# Altium PCB AXP221sBreakout.PcbDoc
Units mm, origin at the board's own origin, x right, y up, seen from the top; angles counter-clockwise.
Board outline 26 x 36 mm, 4 copper layers (Top Layer, Int1 (GND), Int4 (PWR), Bottom Layer), stack 1.508 mm thick; 55 components, 266 nets, 206 pads, 197 vias.
Unrouted connection lines stored in the file: 49.
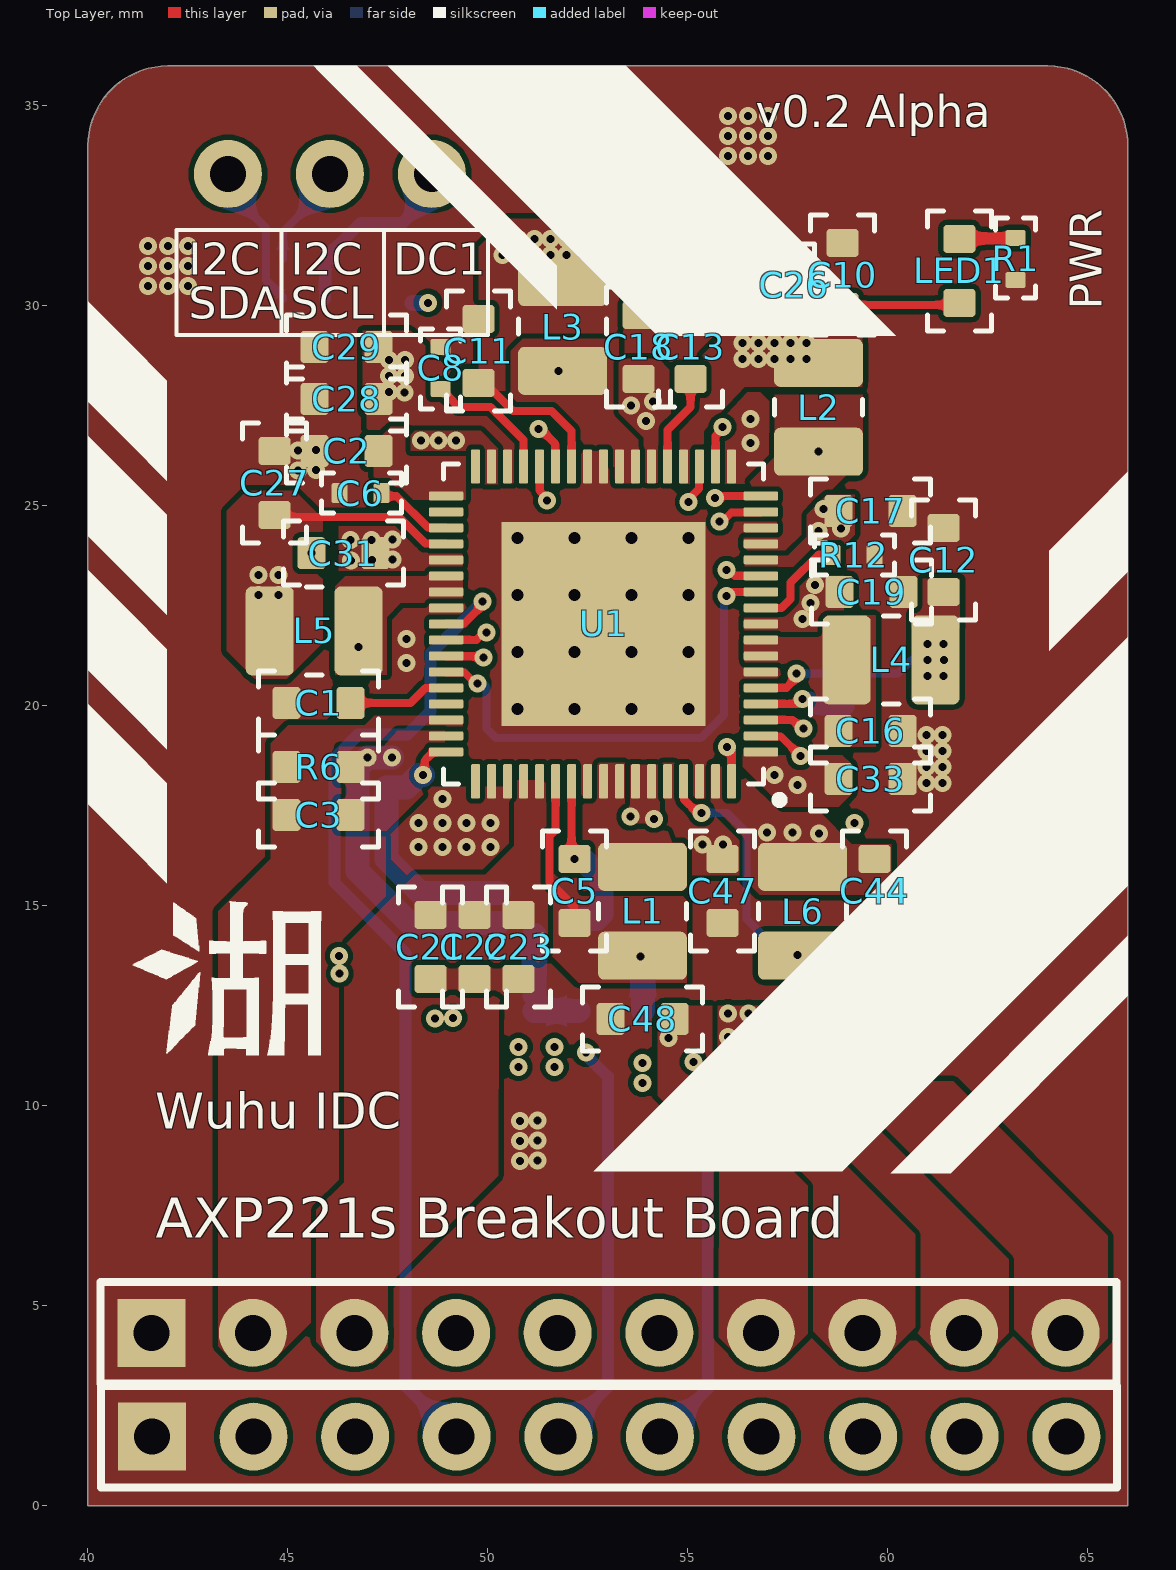
[diagram p0: Top Layer view]
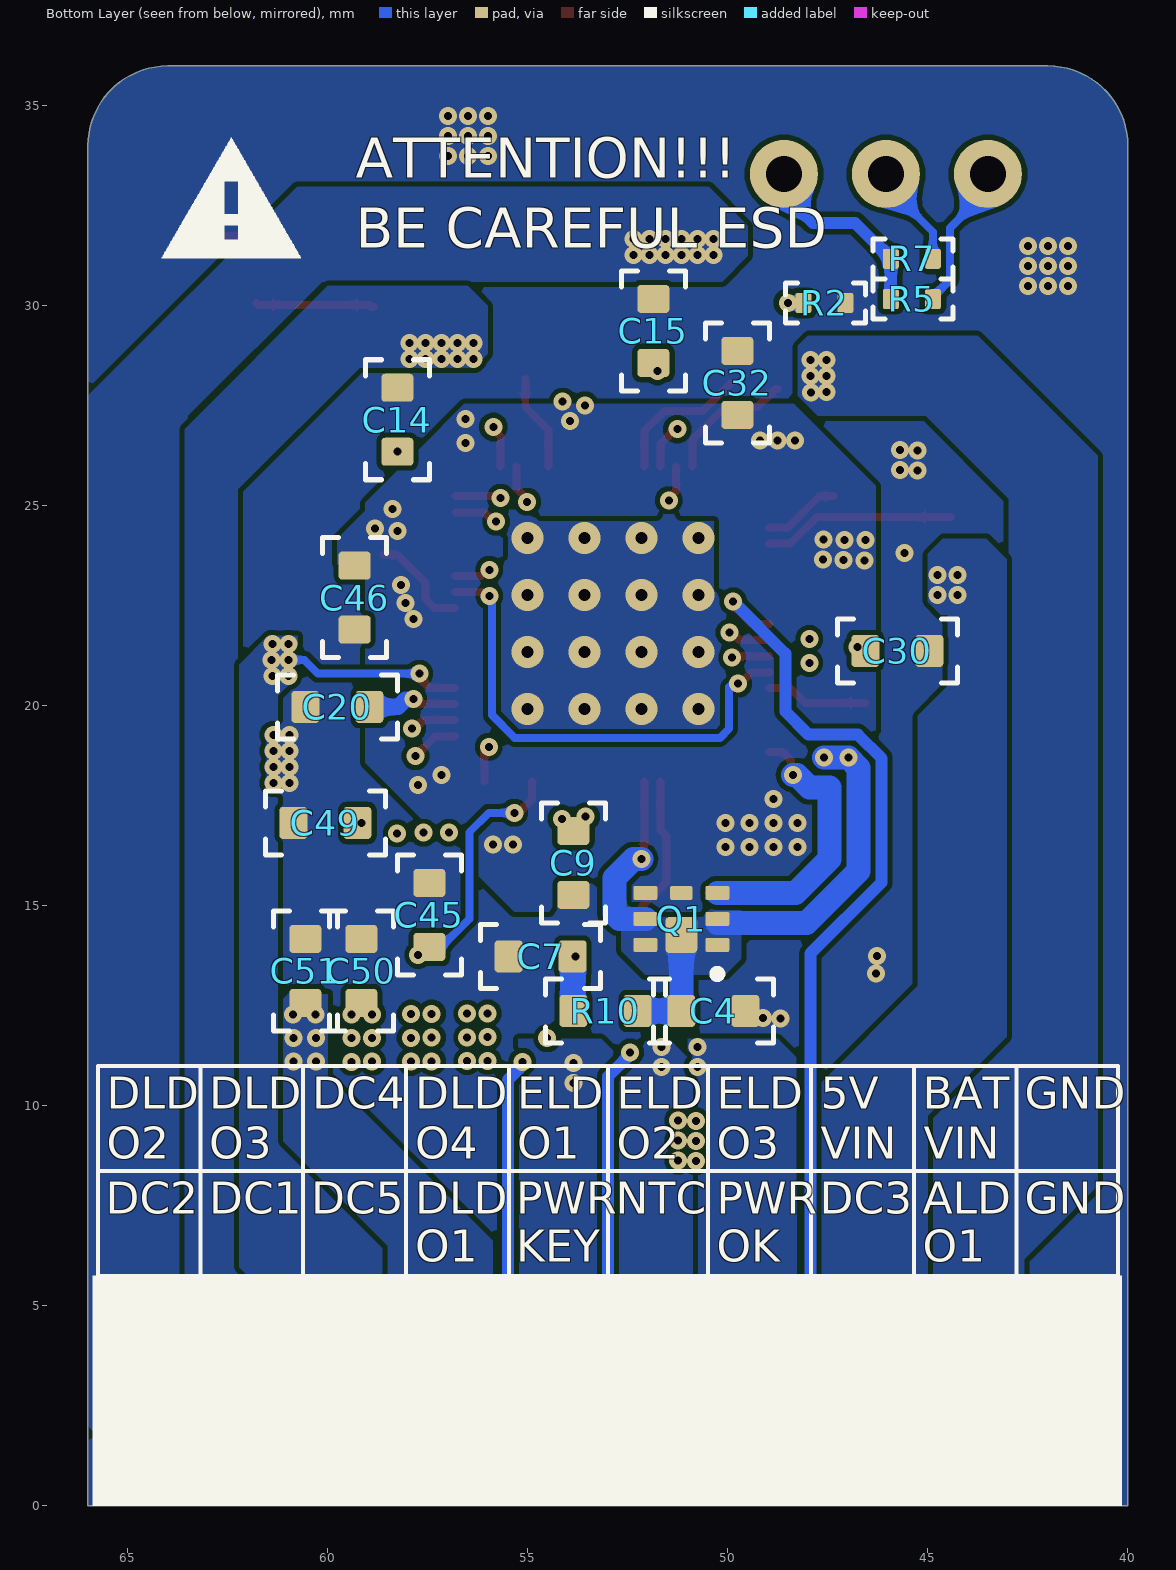
[diagram p1: Bottom Layer view, seen from below]
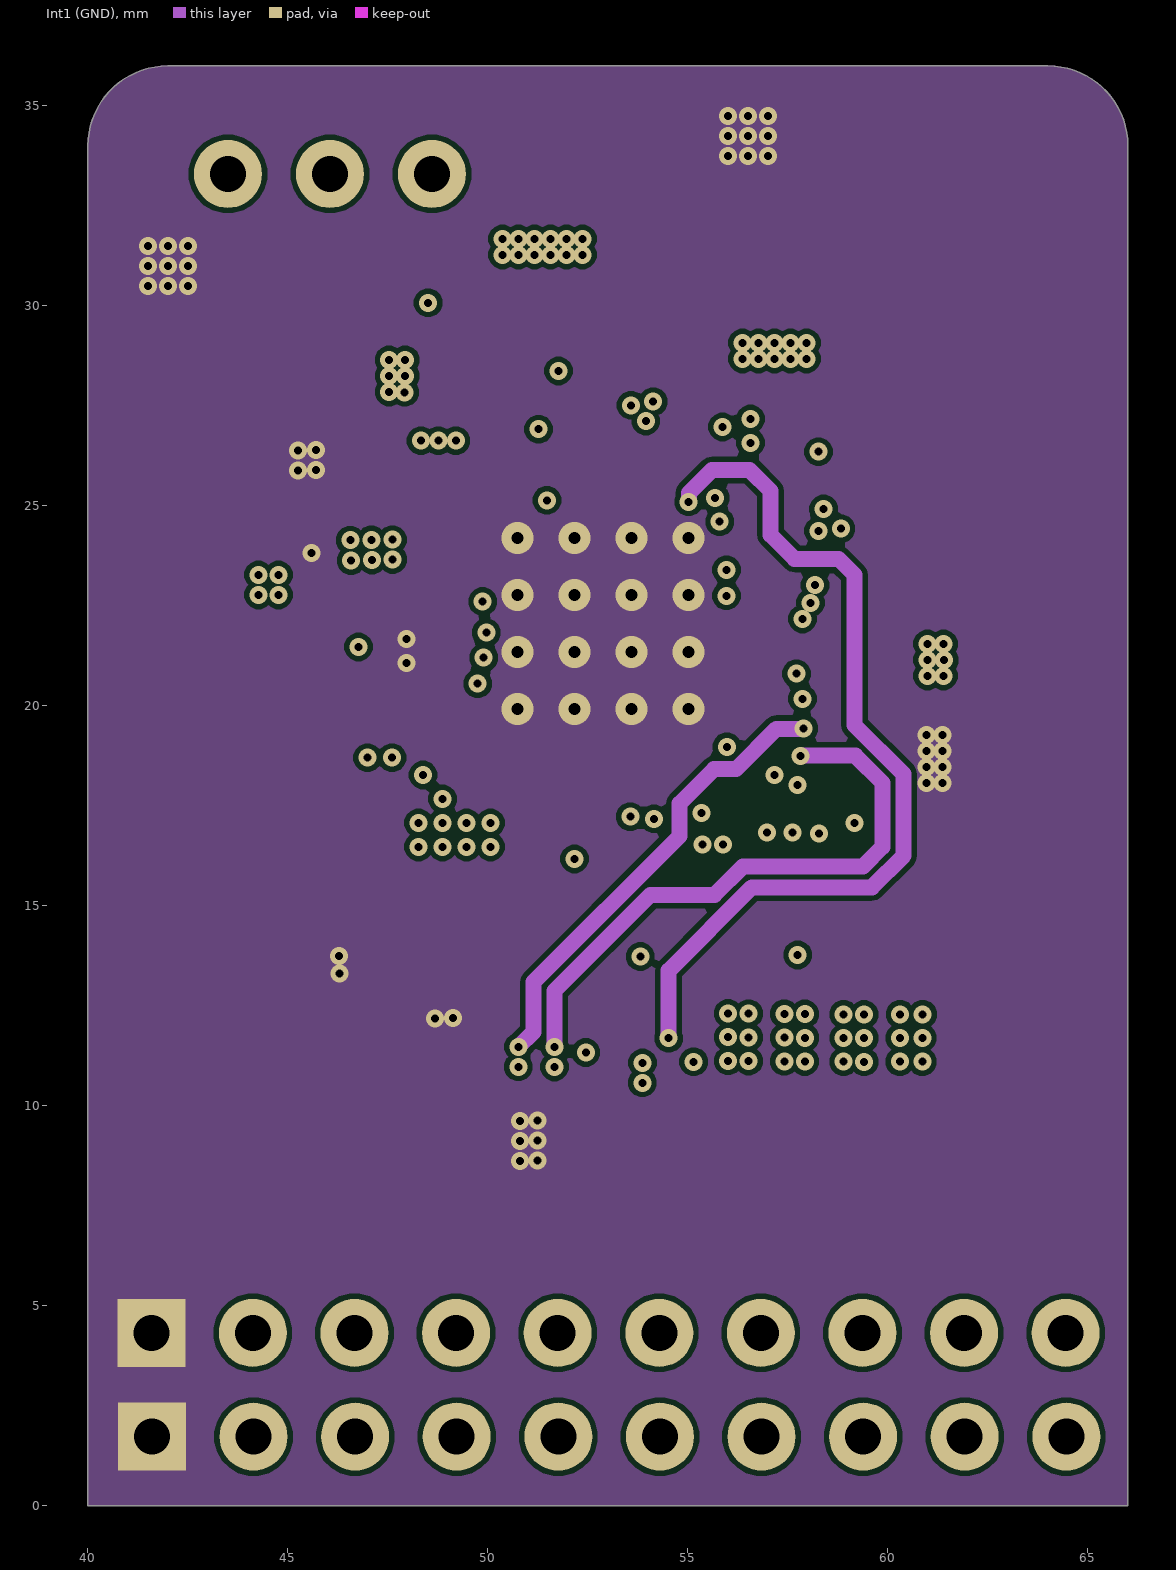
[diagram p2: Int1 (GND)]
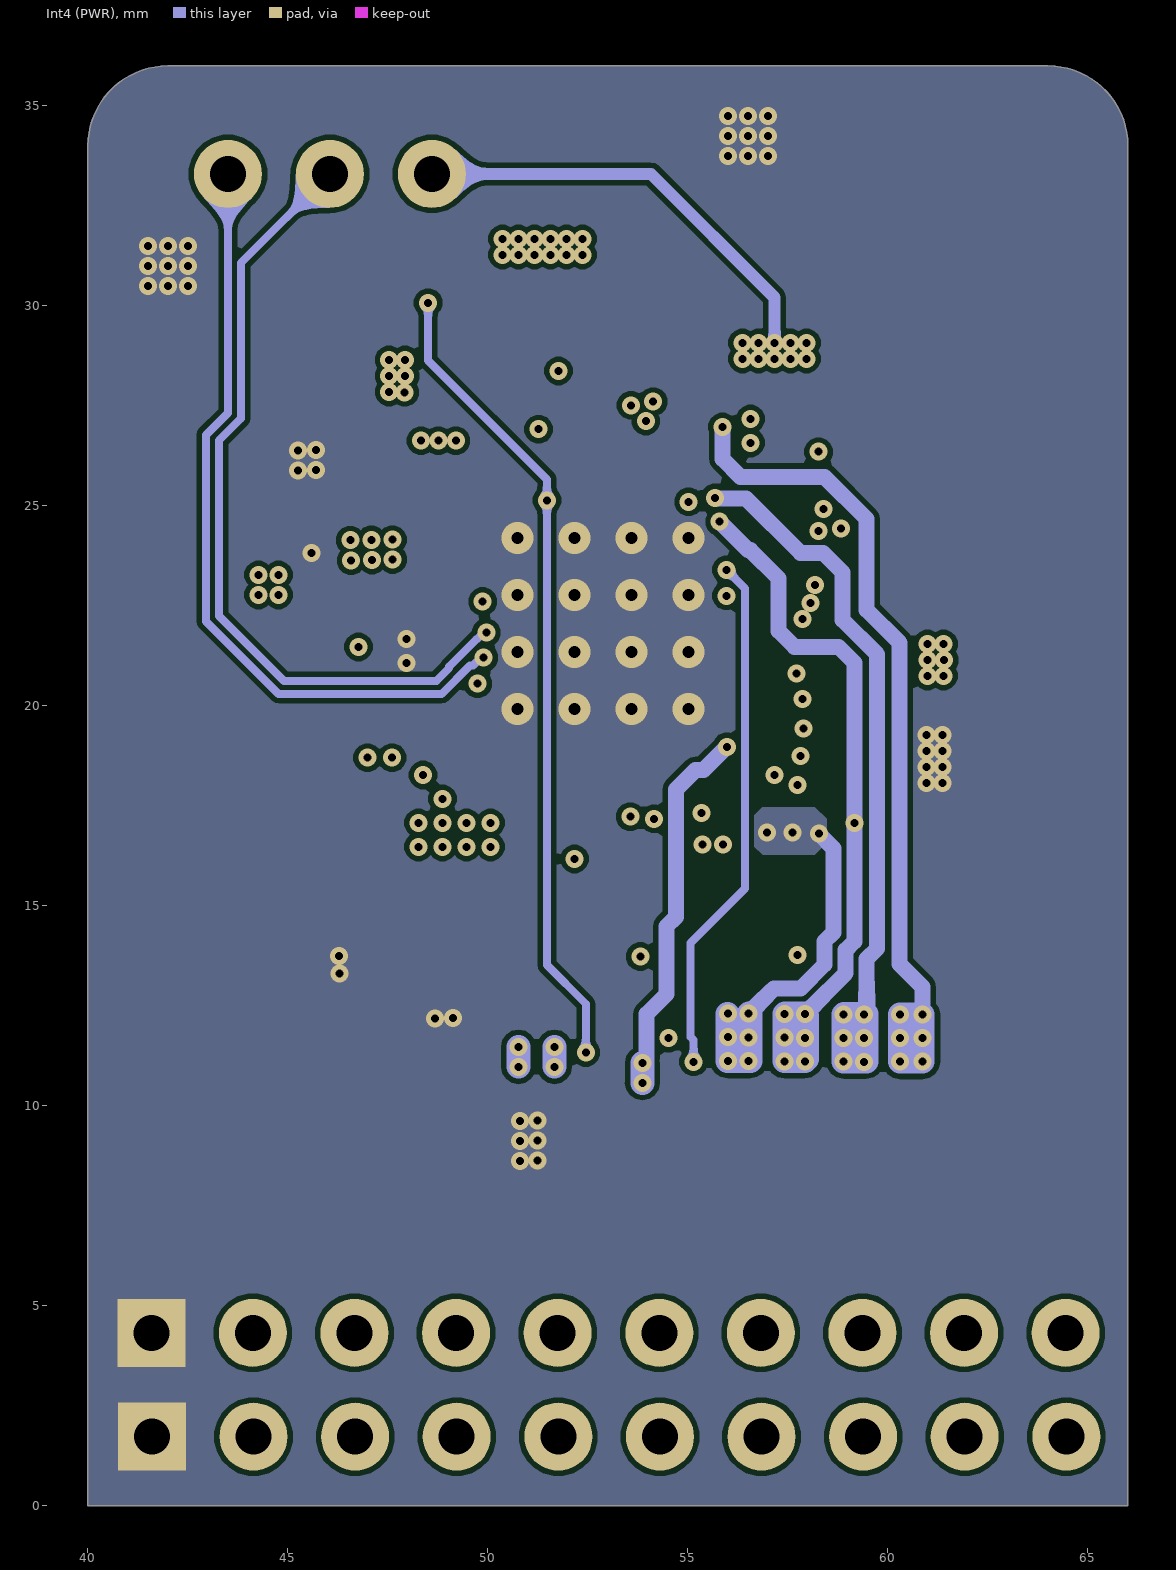
[diagram p3: Int4 (PWR)]
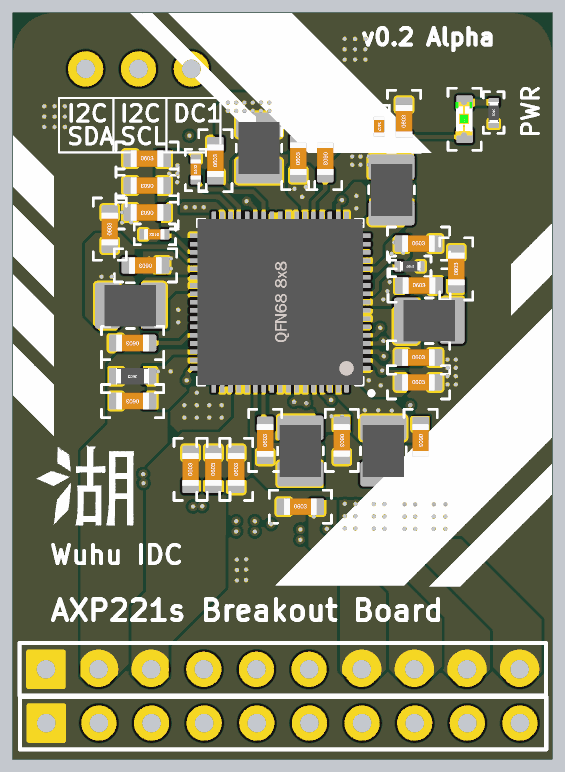
[diagram p4: 3D render of the assembled board from above, using the file's embedded part models]
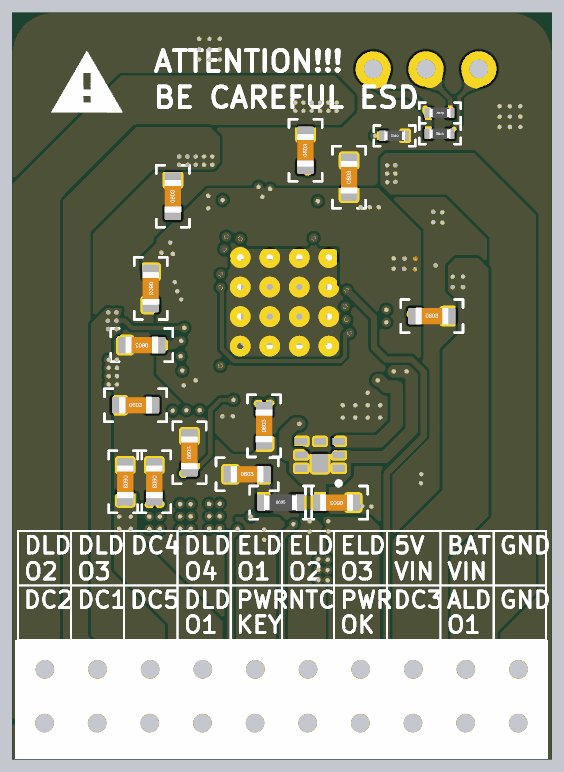
[diagram p5: 3D render of the assembled board from below, using the file's embedded part models]

## Layer stack, top to bottom
Top Solder: solder mask 0.0254, SM-001, Dk 4
Top Layer: signal copper 0.035
Dielectric 1: prepreg 0.0994, PP-006, Dk 4.1
Int1 (GND): signal copper 0.0152
Dielectric 3: core 0.55, Core-035, Dk 4.7
Dielectric 4: prepreg 0.0544, PP-006, Dk 4.1
Dielectric 5: prepreg 0.0544, PP-006, Dk 4.1
Dielectric 6: core 0.55, Core-035, Dk 4.7
Int4 (PWR): signal copper 0.0152
Dielectric 8: prepreg 0.0994, PP-006, Dk 4.1
Bottom Layer: signal copper 0.035
Bottom Solder: solder mask 0.0254, SM-001, Dk 4

## Board outline
40,0 40,34 cw(c42,34) 42,36 64,36 cw(c64,34) 66,34 66,0

## Design rules (kind name [scope] priority, off if disabled: settings)
Clearance [All] p1: gap=0.127 ignorepadtopadclearanceinfootprint=TRUE
DiffPairsRouting "Schematic Differential Pairs Routing_11" [InDifferentialPairClass('HDMI_TX0')] p1: maxlimit=0.229 minlimit=0.229 mostfreqgap=0.229 toplayer_minwidth=0.128 toplayer_maxwidth=0.13 toplayer_prefwidth=0.129 midlayer1_minwidth=0.128 midlayer1_maxwidth=0.13 midlayer1_prefwidth=0.129 midlayer4_minwidth=0.128 midlayer4_maxwidth=0.13 midlayer4_prefwidth=0.129 bottomlayer_minwidth=0.128 bottomlayer_maxwidth=0.13 bottomlayer_prefwidth=0.129 maxuncoupledlength=12.7
DiffPairsRouting "Schematic Differential Pairs Routing_10" [InDifferentialPairClass('HDMI_TX2')] p2: maxlimit=0.229 minlimit=0.229 mostfreqgap=0.229 toplayer_minwidth=0.128 toplayer_maxwidth=0.13 toplayer_prefwidth=0.129 midlayer1_minwidth=0.128 midlayer1_maxwidth=0.13 midlayer1_prefwidth=0.129 midlayer4_minwidth=0.128 midlayer4_maxwidth=0.13 midlayer4_prefwidth=0.129 bottomlayer_minwidth=0.128 bottomlayer_maxwidth=0.13 bottomlayer_prefwidth=0.129 maxuncoupledlength=12.7
DiffPairsRouting "Schematic Differential Pairs Routing_9" [InDifferentialPairClass('HDMI_TX1')] p3: maxlimit=0.229 minlimit=0.229 mostfreqgap=0.229 toplayer_minwidth=0.128 toplayer_maxwidth=0.13 toplayer_prefwidth=0.129 midlayer1_minwidth=0.128 midlayer1_maxwidth=0.13 midlayer1_prefwidth=0.129 midlayer4_minwidth=0.128 midlayer4_maxwidth=0.13 midlayer4_prefwidth=0.129 bottomlayer_minwidth=0.128 bottomlayer_maxwidth=0.13 bottomlayer_prefwidth=0.129 maxuncoupledlength=12.7
DiffPairsRouting "Schematic Differential Pairs Routing_6" [InDifferentialPairClass('HDMI_TXC')] p4: maxlimit=0.229 minlimit=0.229 mostfreqgap=0.229 toplayer_minwidth=0.128 toplayer_maxwidth=0.13 toplayer_prefwidth=0.129 midlayer1_minwidth=0.128 midlayer1_maxwidth=0.13 midlayer1_prefwidth=0.129 midlayer4_minwidth=0.128 midlayer4_maxwidth=0.13 midlayer4_prefwidth=0.129 bottomlayer_minwidth=0.128 bottomlayer_maxwidth=0.13 bottomlayer_prefwidth=0.129 maxuncoupledlength=12.7
DiffPairsRouting "Schematic Differential Pairs Routing_20" [InDifferentialPairClass('USB2')] p5: maxlimit=0.229 minlimit=0.229 mostfreqgap=0.229 toplayer_minwidth=0.128 toplayer_maxwidth=0.13 toplayer_prefwidth=0.129 midlayer1_minwidth=0.128 midlayer1_maxwidth=0.13 midlayer1_prefwidth=0.129 midlayer4_minwidth=0.128 midlayer4_maxwidth=0.13 midlayer4_prefwidth=0.129 bottomlayer_minwidth=0.128 bottomlayer_maxwidth=0.13 bottomlayer_prefwidth=0.129 maxuncoupledlength=12.7
DiffPairsRouting "Schematic Differential Pairs Routing_18" [InDifferentialPairClass('USB1')] p6: maxlimit=0.229 minlimit=0.229 mostfreqgap=0.229 toplayer_minwidth=0.128 toplayer_maxwidth=0.13 toplayer_prefwidth=0.129 midlayer1_minwidth=0.128 midlayer1_maxwidth=0.13 midlayer1_prefwidth=0.129 midlayer4_minwidth=0.128 midlayer4_maxwidth=0.13 midlayer4_prefwidth=0.129 bottomlayer_minwidth=0.128 bottomlayer_maxwidth=0.13 bottomlayer_prefwidth=0.129 maxuncoupledlength=12.7
DiffPairsRouting "Schematic Differential Pairs Routing_8" [InDifferentialPairClass('USB0')] p7: maxlimit=0.229 minlimit=0.229 mostfreqgap=0.229 toplayer_minwidth=0.128 toplayer_maxwidth=0.13 toplayer_prefwidth=0.129 midlayer1_minwidth=0.128 midlayer1_maxwidth=0.13 midlayer1_prefwidth=0.129 midlayer4_minwidth=0.128 midlayer4_maxwidth=0.13 midlayer4_prefwidth=0.129 bottomlayer_minwidth=0.128 bottomlayer_maxwidth=0.13 bottomlayer_prefwidth=0.129 maxuncoupledlength=12.7
DiffPairsRouting "Schematic Differential Pairs Routing_5" [InDifferentialPairClass('USB3')] p8: maxlimit=0.229 minlimit=0.229 mostfreqgap=0.229 toplayer_minwidth=0.128 toplayer_maxwidth=0.13 toplayer_prefwidth=0.129 midlayer1_minwidth=0.128 midlayer1_maxwidth=0.13 midlayer1_prefwidth=0.129 midlayer4_minwidth=0.128 midlayer4_maxwidth=0.13 midlayer4_prefwidth=0.129 bottomlayer_minwidth=0.128 bottomlayer_maxwidth=0.13 bottomlayer_prefwidth=0.129 maxuncoupledlength=12.7
DiffPairsRouting "Schematic Differential Pairs Routing_4" [InNetClass('DDR3_DIFF_DQS2')] p9: maxlimit=0.229 minlimit=0.229 mostfreqgap=0.229 toplayer_minwidth=0.128 toplayer_maxwidth=0.13 toplayer_prefwidth=0.129 midlayer1_minwidth=0.128 midlayer1_maxwidth=0.13 midlayer1_prefwidth=0.129 midlayer4_minwidth=0.128 midlayer4_maxwidth=0.13 midlayer4_prefwidth=0.129 bottomlayer_minwidth=0.128 bottomlayer_maxwidth=0.13 bottomlayer_prefwidth=0.129 maxuncoupledlength=12.7
DiffPairsRouting "Schematic Differential Pairs Routing_3" [InNetClass('DDR3_DIFF_DQS3')] p10: maxlimit=0.229 minlimit=0.229 mostfreqgap=0.229 toplayer_minwidth=0.128 toplayer_maxwidth=0.13 toplayer_prefwidth=0.129 midlayer1_minwidth=0.128 midlayer1_maxwidth=0.13 midlayer1_prefwidth=0.129 midlayer4_minwidth=0.128 midlayer4_maxwidth=0.13 midlayer4_prefwidth=0.129 bottomlayer_minwidth=0.128 bottomlayer_maxwidth=0.13 bottomlayer_prefwidth=0.129 maxuncoupledlength=12.7
DiffPairsRouting "Schematic Differential Pairs Routing_2" [InNetClass('DDR3_DIFF_DQS0')] p11: maxlimit=0.229 minlimit=0.229 mostfreqgap=0.229 toplayer_minwidth=0.128 toplayer_maxwidth=0.13 toplayer_prefwidth=0.129 midlayer1_minwidth=0.128 midlayer1_maxwidth=0.13 midlayer1_prefwidth=0.129 midlayer4_minwidth=0.128 midlayer4_maxwidth=0.13 midlayer4_prefwidth=0.129 bottomlayer_minwidth=0.128 bottomlayer_maxwidth=0.13 bottomlayer_prefwidth=0.129 maxuncoupledlength=12.7
DiffPairsRouting "Schematic Differential Pairs Routing_1" [InNetClass('DDR3_DIFF_CK')] p12: maxlimit=0.229 minlimit=0.229 mostfreqgap=0.229 toplayer_minwidth=0.128 toplayer_maxwidth=0.13 toplayer_prefwidth=0.129 midlayer1_minwidth=0.128 midlayer1_maxwidth=0.13 midlayer1_prefwidth=0.129 midlayer4_minwidth=0.128 midlayer4_maxwidth=0.13 midlayer4_prefwidth=0.129 bottomlayer_minwidth=0.128 bottomlayer_maxwidth=0.13 bottomlayer_prefwidth=0.129 maxuncoupledlength=12.7
DiffPairsRouting "Schematic Differential Pairs Routing" [InNetClass('DDR3_DIFF_DQS1')] p13: maxlimit=0.229 minlimit=0.229 mostfreqgap=0.229 toplayer_minwidth=0.128 toplayer_maxwidth=0.13 toplayer_prefwidth=0.129 midlayer1_minwidth=0.128 midlayer1_maxwidth=0.13 midlayer1_prefwidth=0.129 midlayer4_minwidth=0.128 midlayer4_maxwidth=0.13 midlayer4_prefwidth=0.129 bottomlayer_minwidth=0.128 bottomlayer_maxwidth=0.13 bottomlayer_prefwidth=0.129 maxuncoupledlength=12.7
DiffPairsRouting [All] p14: maxlimit=0.127 minlimit=0.127 mostfreqgap=0.127 toplayer_minwidth=0.13 toplayer_maxwidth=0.13 toplayer_prefwidth=0.13 midlayer1_minwidth=0.13 midlayer1_maxwidth=0.13 midlayer1_prefwidth=0.13 midlayer4_minwidth=0.13 midlayer4_maxwidth=0.13 midlayer4_prefwidth=0.13 bottomlayer_minwidth=0.13 bottomlayer_maxwidth=0.13 bottomlayer_prefwidth=0.13 maxuncoupledlength=12.7
HoleSize [All] p1: absolutevalues=TRUE maxlimit=6.3 minlimit=0.2 maxpercent=80.000 minpercent=20.000
HoleToHoleClearance [All] p1: gap=0.1 allowstackedmicrovias=TRUE
MinimumSolderMaskSliver [All] p1: minsoldermaskwidth=0.1
PolygonConnect [All] p1: connectstyle=Direct reliefconductorwidth=0.254 reliefentries=4 polygonreliefangle="90 Angle" airgapwidth=0.254
RoutingVias [All] p1: holewidth=0.2 width=0.3 viastyle="Through Hole" minholewidth=0.2 minwidth=0.3 maxholewidth=2 maxwidth=2
SilkToSilkClearance [All] p1: silktosilkclearance=0.1
SilkToSolderMaskClearance [IsPad] p1: minsilkscreentomaskgap=0.1 clearancetoexposedcopper=TRUE
SolderMaskExpansion [All] p1: expansion=0.102 istentingtop=FALSE
Width "Schematic Width Constraint_6" [InNet('RGMII_RXCK')] p1: maxlimit=0.127 minlimit=0.127 preferedwidth=0.127
Width "Schematic Width Constraint_5" [InNet('SBA0')] p2: maxlimit=0.127 minlimit=0.127 preferedwidth=0.127
Width "Schematic Width Constraint_4" [InNetClass('DDR3_DQM')] p3: maxlimit=0.127 minlimit=0.127 preferedwidth=0.127
Width "Schematic Width Constraint_2" [InNetClass('EMMC_DATA')] p4: maxlimit=0.127 minlimit=0.127 preferedwidth=0.127
Width "Schematic Width Constraint_3" [InNetClass('EMMC_CTL')] p5: maxlimit=0.127 minlimit=0.127 preferedwidth=0.127
Width "Schematic Width Constraint" [InNetClass('FLASH')] p6: maxlimit=0.127 minlimit=0.127 preferedwidth=0.127
Width "Schematic Width Constraint_7" [InNetClass('DDR3_ADDR')] p7: maxlimit=0.127 minlimit=0.127 preferedwidth=0.127
Width "Schematic Width Constraint_1" [InNetClass('DDR3_DATA')] p8: maxlimit=0.127 minlimit=0.127 preferedwidth=0.127
Width [All] p9: maxlimit=5 minlimit=0.127 preferedwidth=0.254
24 further rules are at their usual default settings.

## Classes and differential pairs
net class GPIO: NetJ1_33 NetJ1_35 NetJ1_37 NetJ1_39 NetJ1_41 NetJ1_43 NetJ1_45 NetJ1_51 NetJ1_53 NetJ1_55 NetJ1_57 NetJ1_59 NetJ1_61 NetJ1_63 NetJ1_65 NetJ1_67 NetJ1_69 NetJ1_71 NetJ1_73 NetJ1_75 NetJ1_77 NetJ1_78 NetJ1_79 NetJ1_80 NetJ1_81 NetJ1_83 NetJ1_84 NetJ1_85 NetJ1_86 NetJ1_87 NetJ1_89 NetJ1_90 NetJ1_91 NetJ1_92 NetJ1_93 NetJ1_94 NetJ1_95 NetJ1_96 NetJ1_97 NetJ1_99 NetJ1_100 NetJ1_101 NetJ1_103 NetJ1_105 NetJ1_107 NetJ1_109 NetJ1_111 NetJ1_113 NetJ1_115 NetJ1_117 NetJ1_119 NetJ1_121 NetJ1_123 NetJ1_125 NetJ1_129 NetJ1_131 NetJ1_133 NetJ1_135 NetJ1_137 NetJ1_139 NetJ1_141 NetJ1_146 NetJ1_148 NetJ1_152 NetJ1_154 NetJ1_158 NetJ1_160 NetJ1_164 NetJ1_166
net class DDR3: SA0 SA1 SA2 SA3 SA4 SA5 SA6 SA7 SA8 SA9 SA10 SA11 SA12 SA13 SA14 SA15 SBA0 SBA1 SBA2 SCAS SCK_N SCK_P SCKE0 SCKE1 SCS0 SCS1 SDQ0 SDQ1 SDQ2 SDQ3 SDQ4 SDQ5 SDQ6 SDQ7 SDQ8 SDQ9 SDQ10 SDQ11 SDQ12 SDQ13 SDQ14 SDQ15 SDQ16 SDQ17 SDQ18 SDQ19 SDQ20 SDQ21 SDQ22 SDQ23 SDQ24 SDQ25 SDQ26 SDQ27 SDQ28 SDQ29 SDQ30 SDQ31 SDQM0 SDQM1 SDQM2 SDQM3 SDQS0_N SDQS0_P SDQS1_N SDQS1_P SDQS2_N SDQS2_P SDQS3_N SDQS3_P SODT0 SODT1 SRAS SRST SWE
net class DDR3_DQS3: SDQ24 SDQ25 SDQ26 SDQ27 SDQ28 SDQ29 SDQ30 SDQ31 SDQS3_N SDQS3_P
net class DDR3_DQS2: SDQ16 SDQ17 SDQ18 SDQ19 SDQ20 SDQ21 SDQ22 SDQ23 SDQS2_N SDQS2_P
net class DDR3_DQS1: SDQ8 SDQ9 SDQ10 SDQ11 SDQ12 SDQ13 SDQ14 SDQ15 SDQS1_N SDQS1_P
net class DDR3_DQS0: SDQ0 SDQ1 SDQ2 SDQ3 SDQ4 SDQ5 SDQ6 SDQ7 SDQS0_N SDQS0_P
net class DDR3_DIFF_CK: SCK_N SCK_P
net class DDR3_DIFF_DQS3: SDQS3_N SDQS3_P
net class DDR3_DIFF_DQS2: SDQS2_N SDQS2_P
net class DDR3_DIFF_DQS1: SDQS1_N SDQS1_P
net class DDR3_DIFF_DQS0: SDQS0_N SDQS0_P
net class EMMC_CTL: EMMC_CMD EMMC_RST NetR18_2
net class FLASH: FLASH_CLK FLASH_CS FLASH_MISO FLASH_MOSI
net class EMMC_DATA: EMMC_D0 EMMC_D1 EMMC_D2 EMMC_D3 EMMC_D4 EMMC_D5 EMMC_D6 EMMC_D7
net class RGMII: RGMII_CLKIN RGMII_MDC RGMII_MDIO RGMII_RX0 RGMII_RX1 RGMII_RX2 RGMII_RX3 RGMII_RXCK RGMII_RXCTL RGMII_TXCK RGMII_TXCTL RGMII_TXD0 RGMII_TXD1 RGMII_TXD2 RGMII_TXD3
differential pair class USB3: USB3
differential pair class USB2: USB2
differential pair class USB1: USB1
differential pair class USB0: USB0
differential pair class HDMI_TXC: TXC
differential pair class HDMI_TX2: TX2
differential pair class HDMI_TX1: TX1
differential pair class HDMI_TX0: TX0
net class HDMI: NetJ1_110 NetJ1_126 NetJ1_136 NetJ1_140 TX0_N TX0_P TX1_N TX1_P TX2_N TX2_P TXC_N TXC_P
differential pair class DDR3_CK: SCK
net class DDR3_XXX: SCAS SRAS SRST SWE
net class DDR3_ODT: SODT0 SODT1
net class DDR3_CS: SCS0 SCS1
net class DDR3_CKE: SCKE0 SCKE1
differential pair class DDR3_DIFF_DQS3: SDQS3
differential pair class DDR3_DIFF_DQS2: SDQS2
differential pair class DDR3_DIFF_DQS1: SDQS1
differential pair class DDR3_DIFF_DQS0: SDQS0
net class DDR3_DQM: SDQM0 SDQM1 SDQM2 SDQM3
net class DDR3_BA: SBA0 SBA1 SBA2
net class DDR3_DATA: SDQ0 SDQ1 SDQ2 SDQ3 SDQ4 SDQ5 SDQ6 SDQ7 SDQ8 SDQ9 SDQ10 SDQ11 SDQ12 SDQ13 SDQ14 SDQ15 SDQ16 SDQ17 SDQ18 SDQ19 SDQ20 SDQ21 SDQ22 SDQ23 SDQ24 SDQ25 SDQ26 SDQ27 SDQ28 SDQ29 SDQ30 SDQ31
net class DDR3_ADDR: SA0 SA1 SA2 SA3 SA4 SA5 SA6 SA7 SA8 SA9 SA10 SA11 SA12 SA13 SA14 SA15
component class 03_H3DRAM: DC? DR?
differential pair USB3: +USB3_P -USB3_N
differential pair USB2: +USB2_P -USB2_N
differential pair USB1: +USB1_P -USB1_N
differential pair USB0: +USB0_P -USB0_N
differential pair TXC: +TXC_P -TXC_N
differential pair TX2: +TX2_P -TX2_N
differential pair TX1: +TX1_P -TX1_N
differential pair TX0: +TX0_P -TX0_N
differential pair SDQS3: +SDQS3_P -SDQS3_N
differential pair SDQS2: +SDQS2_P -SDQS2_N
differential pair SDQS1: +SDQS1_P -SDQS1_N
differential pair SDQS0: +SDQS0_P -SDQS0_N
differential pair SCK: +SCK_P -SCK_N
